# Altium PCB Peak_Track.PcbDoc (part 1 of 2)
Units mil, origin at the board's own origin, x right, y up, seen from the top; angles counter-clockwise.
Board outline 2126.29 x 2005.4 mil, 4 copper layers (Top1, GND2, signal3, Bottom4), stack 42.312 mil thick; 129 components, 89 nets, 459 pads, 390 vias.
Unrouted connection lines stored in the file: 6.
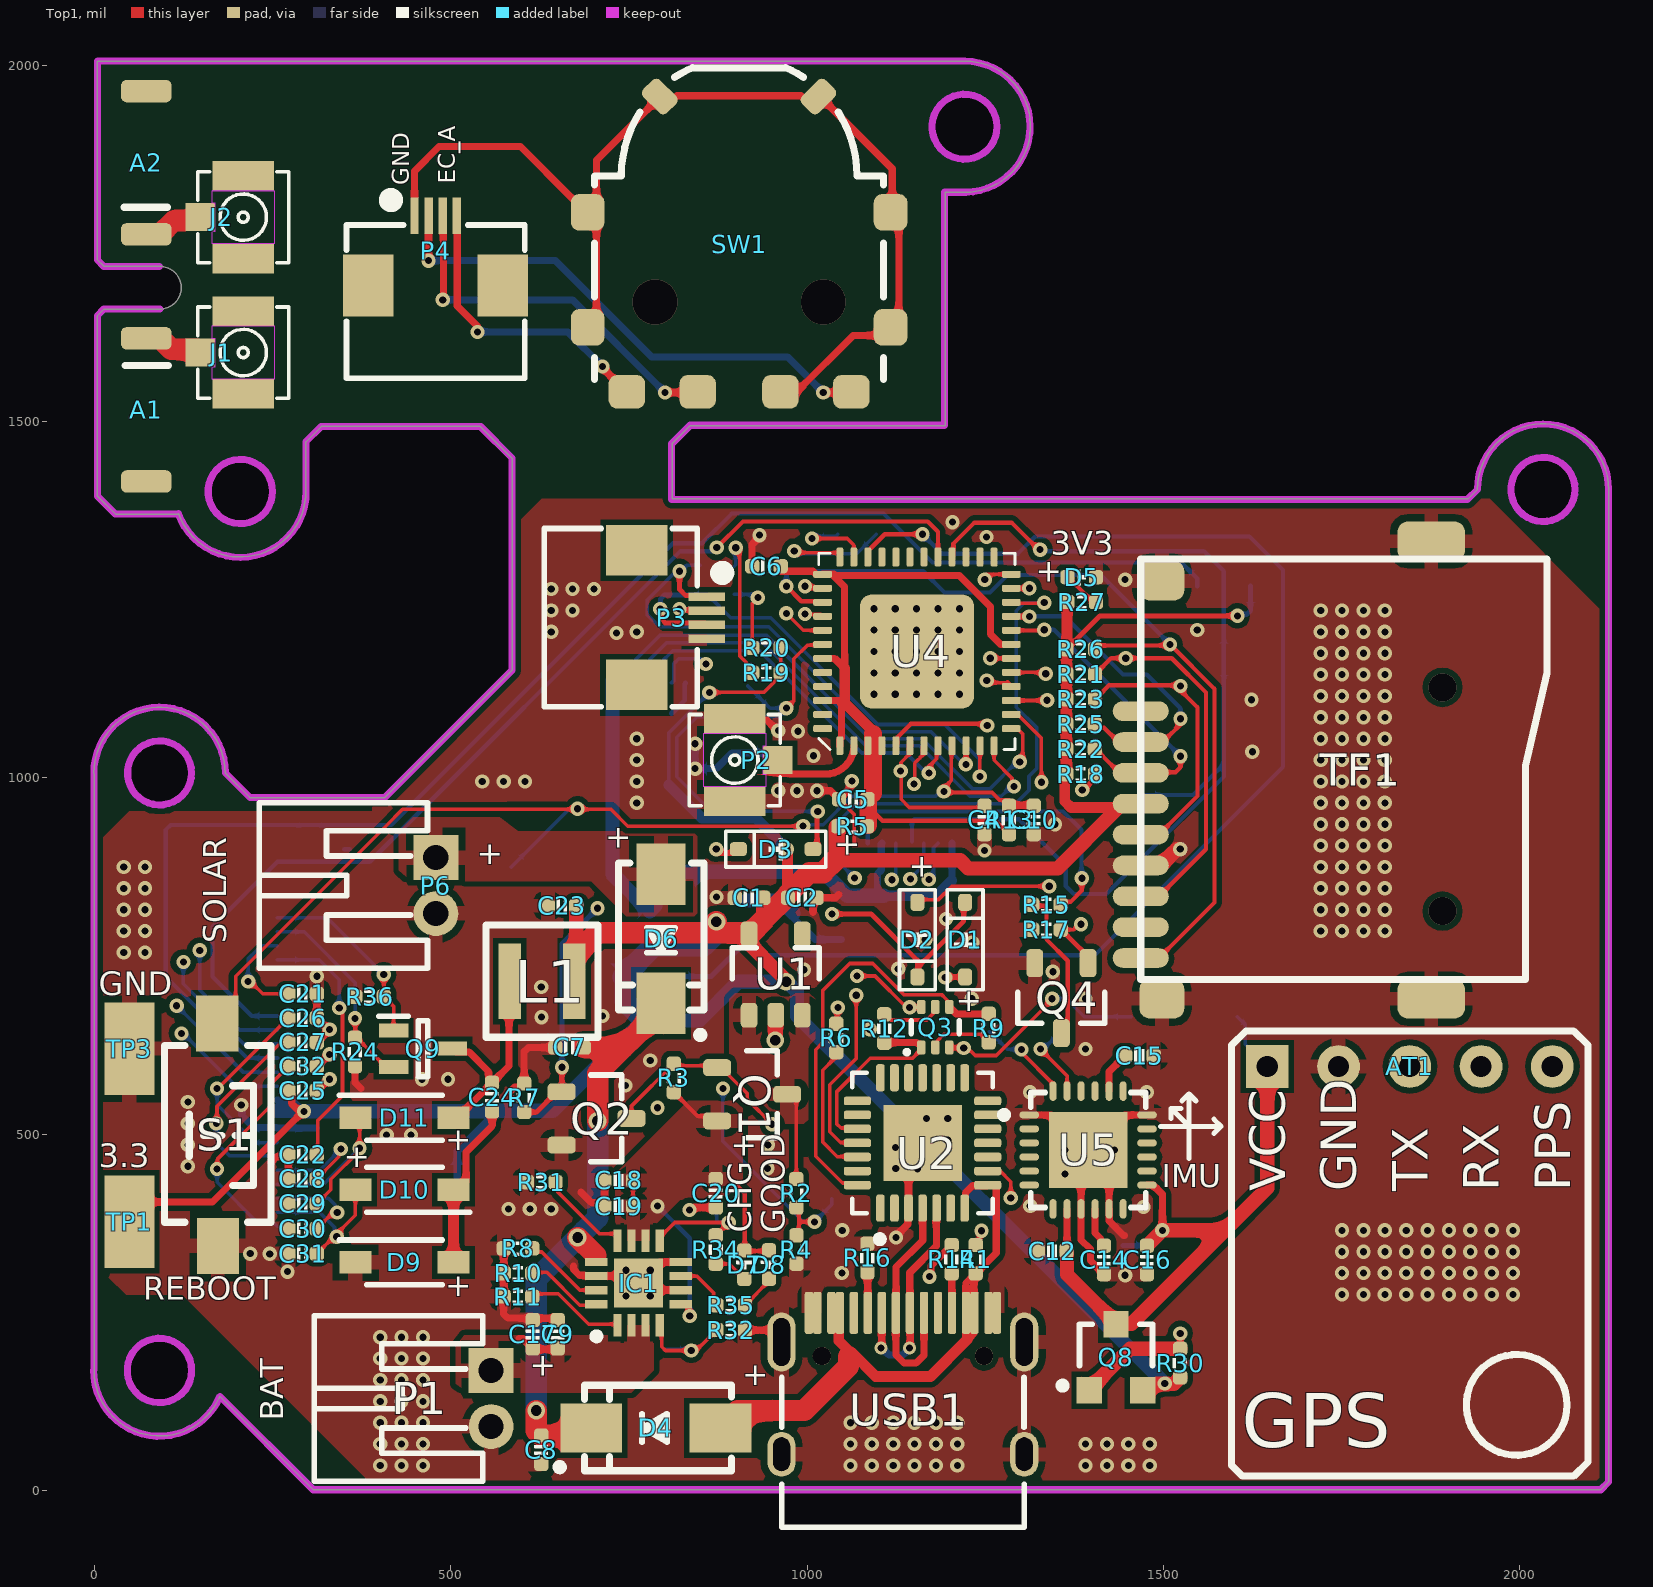
[diagram p0: Top1 view]
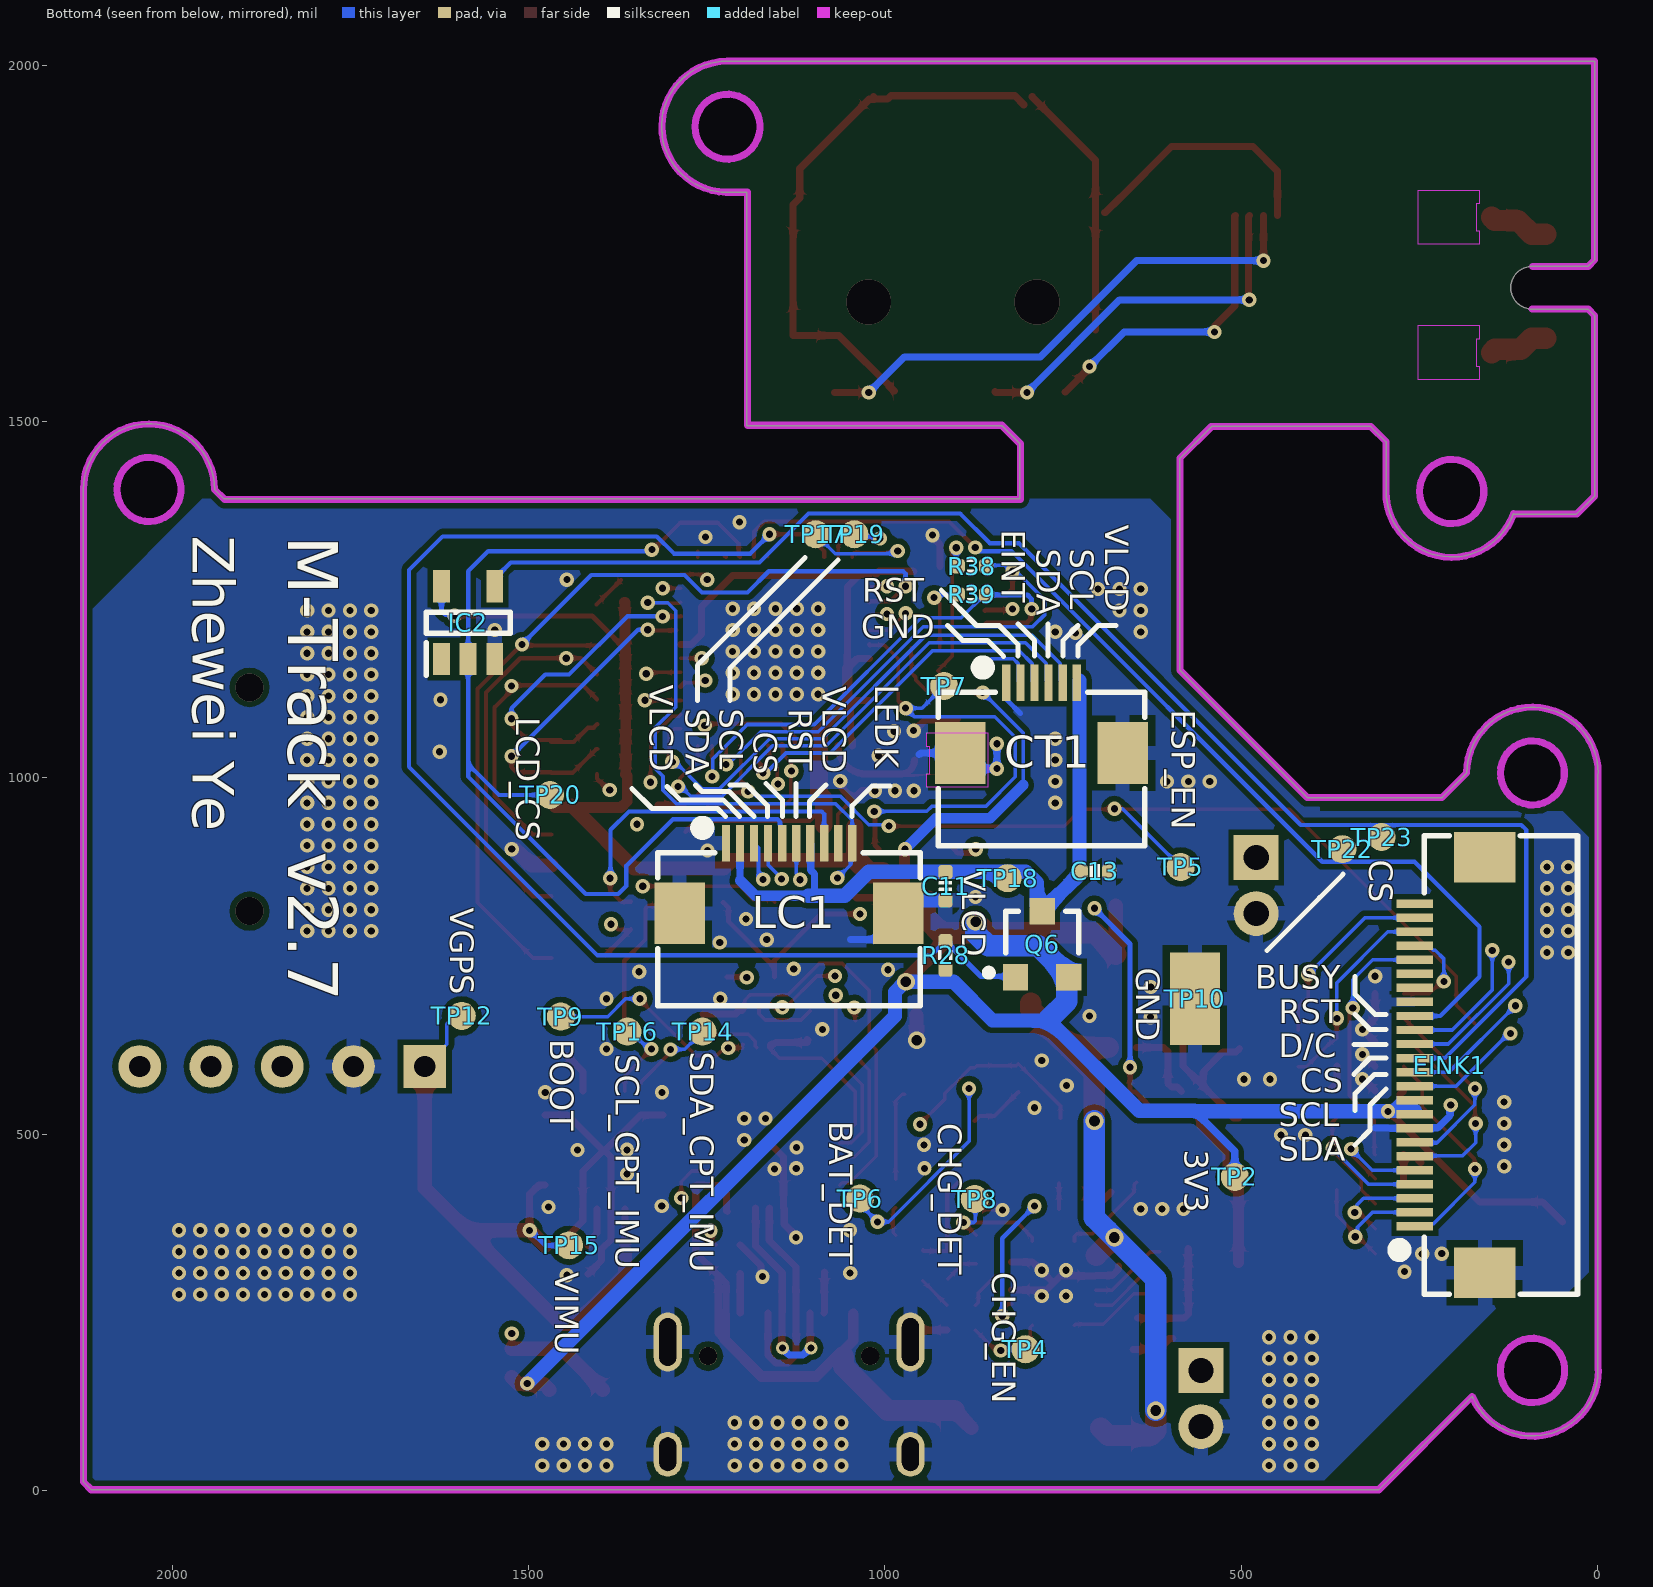
[diagram p1: Bottom4 view, seen from below]
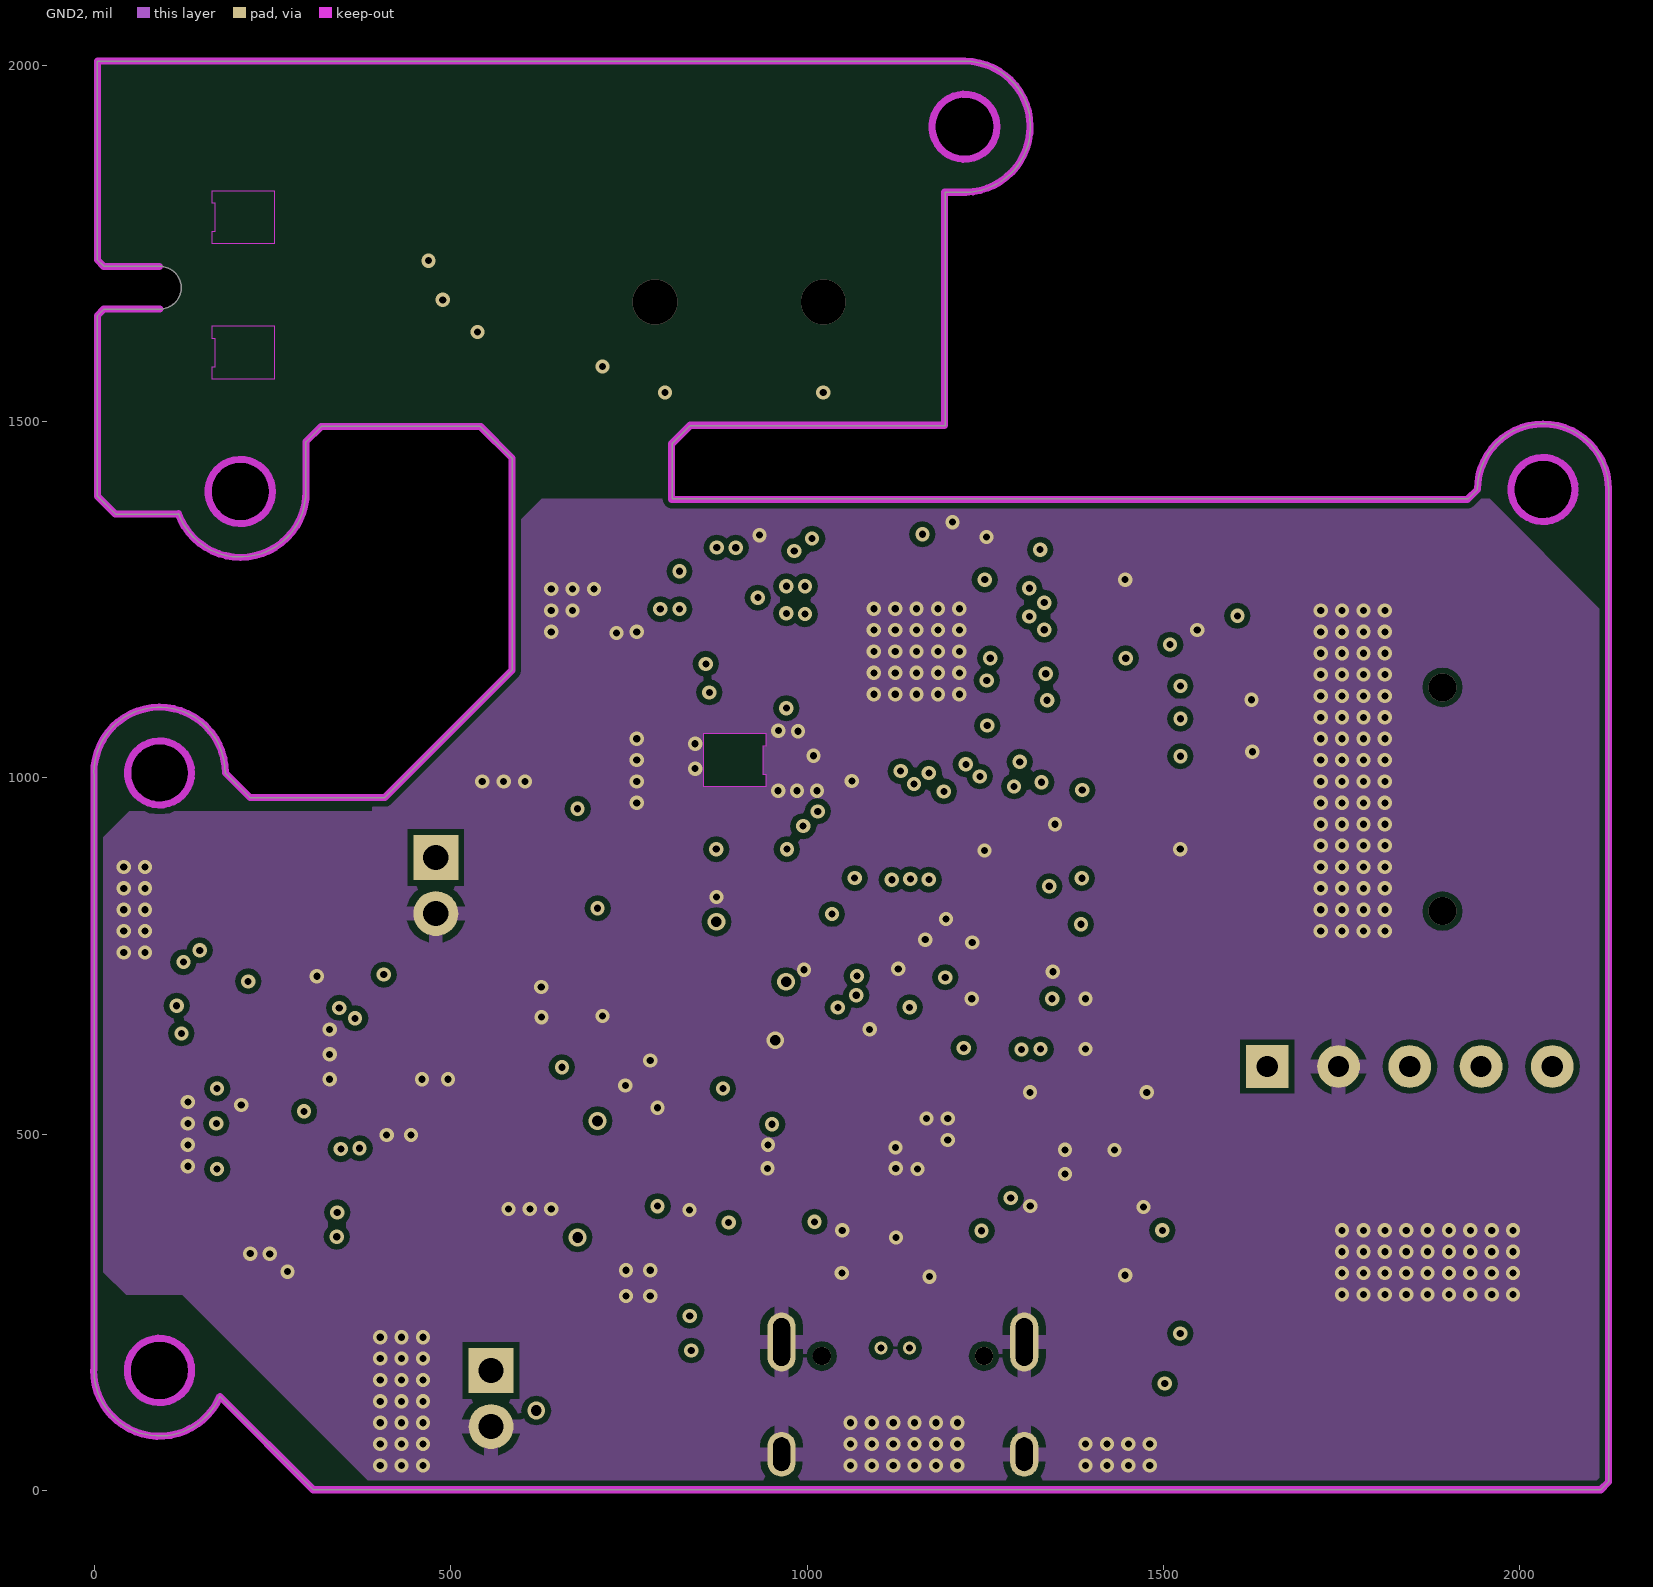
[diagram p2: GND2]
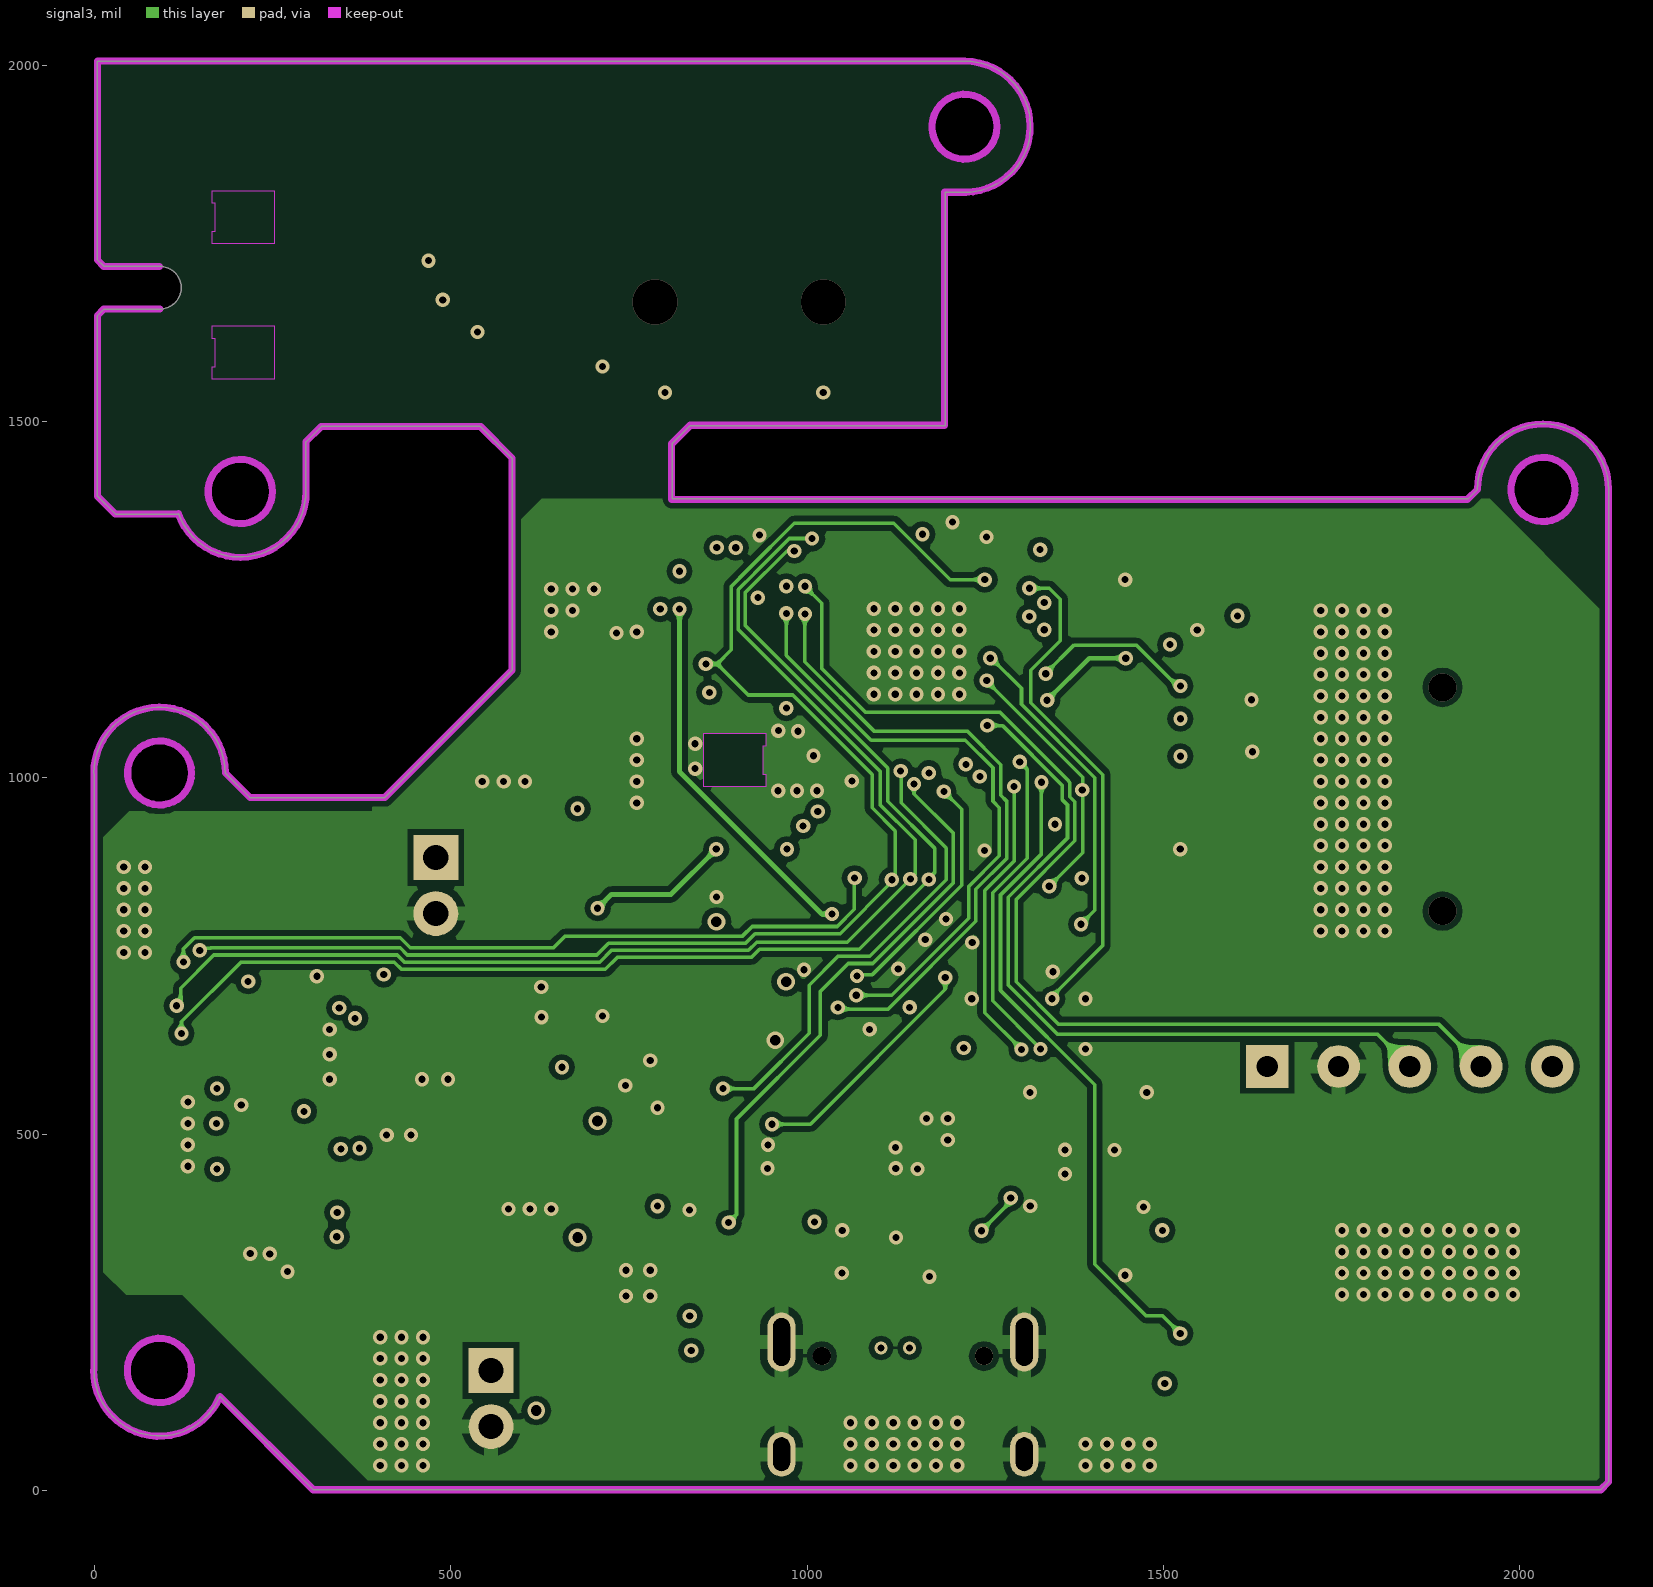
[diagram p3: signal3]
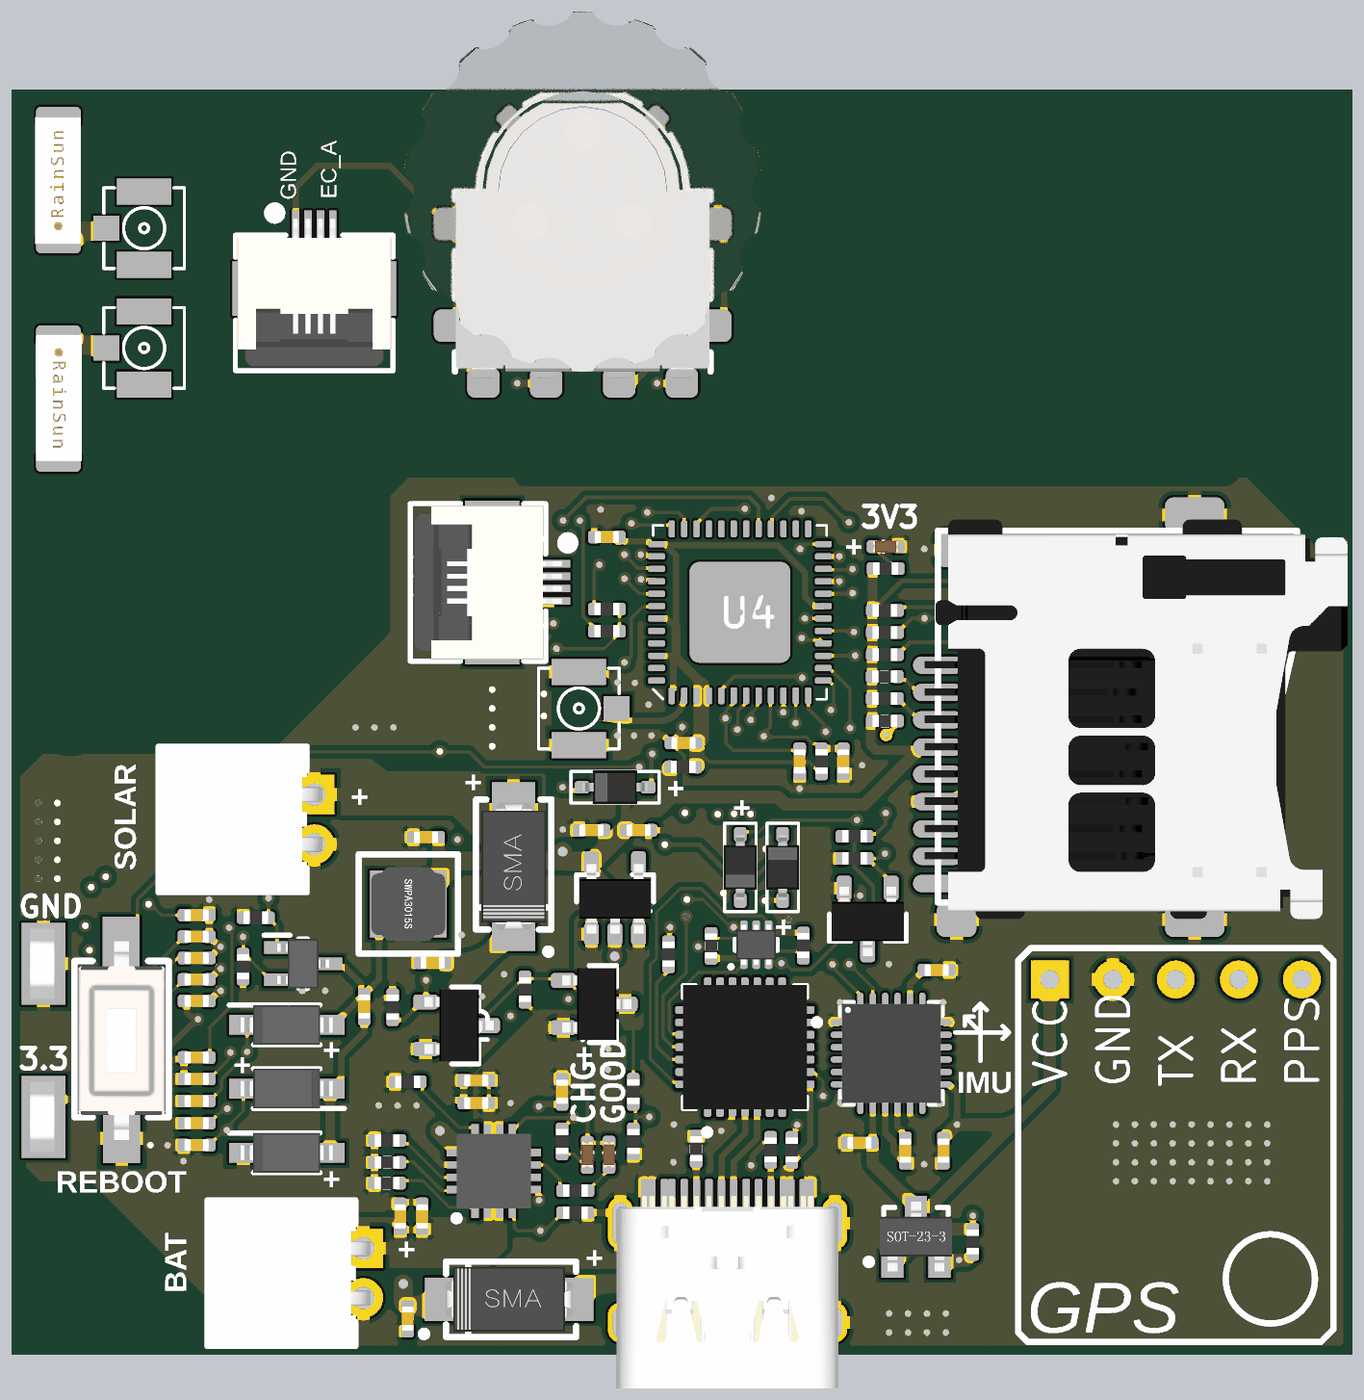
[diagram p5: 3D render of the assembled board from above, using the file's embedded part models]
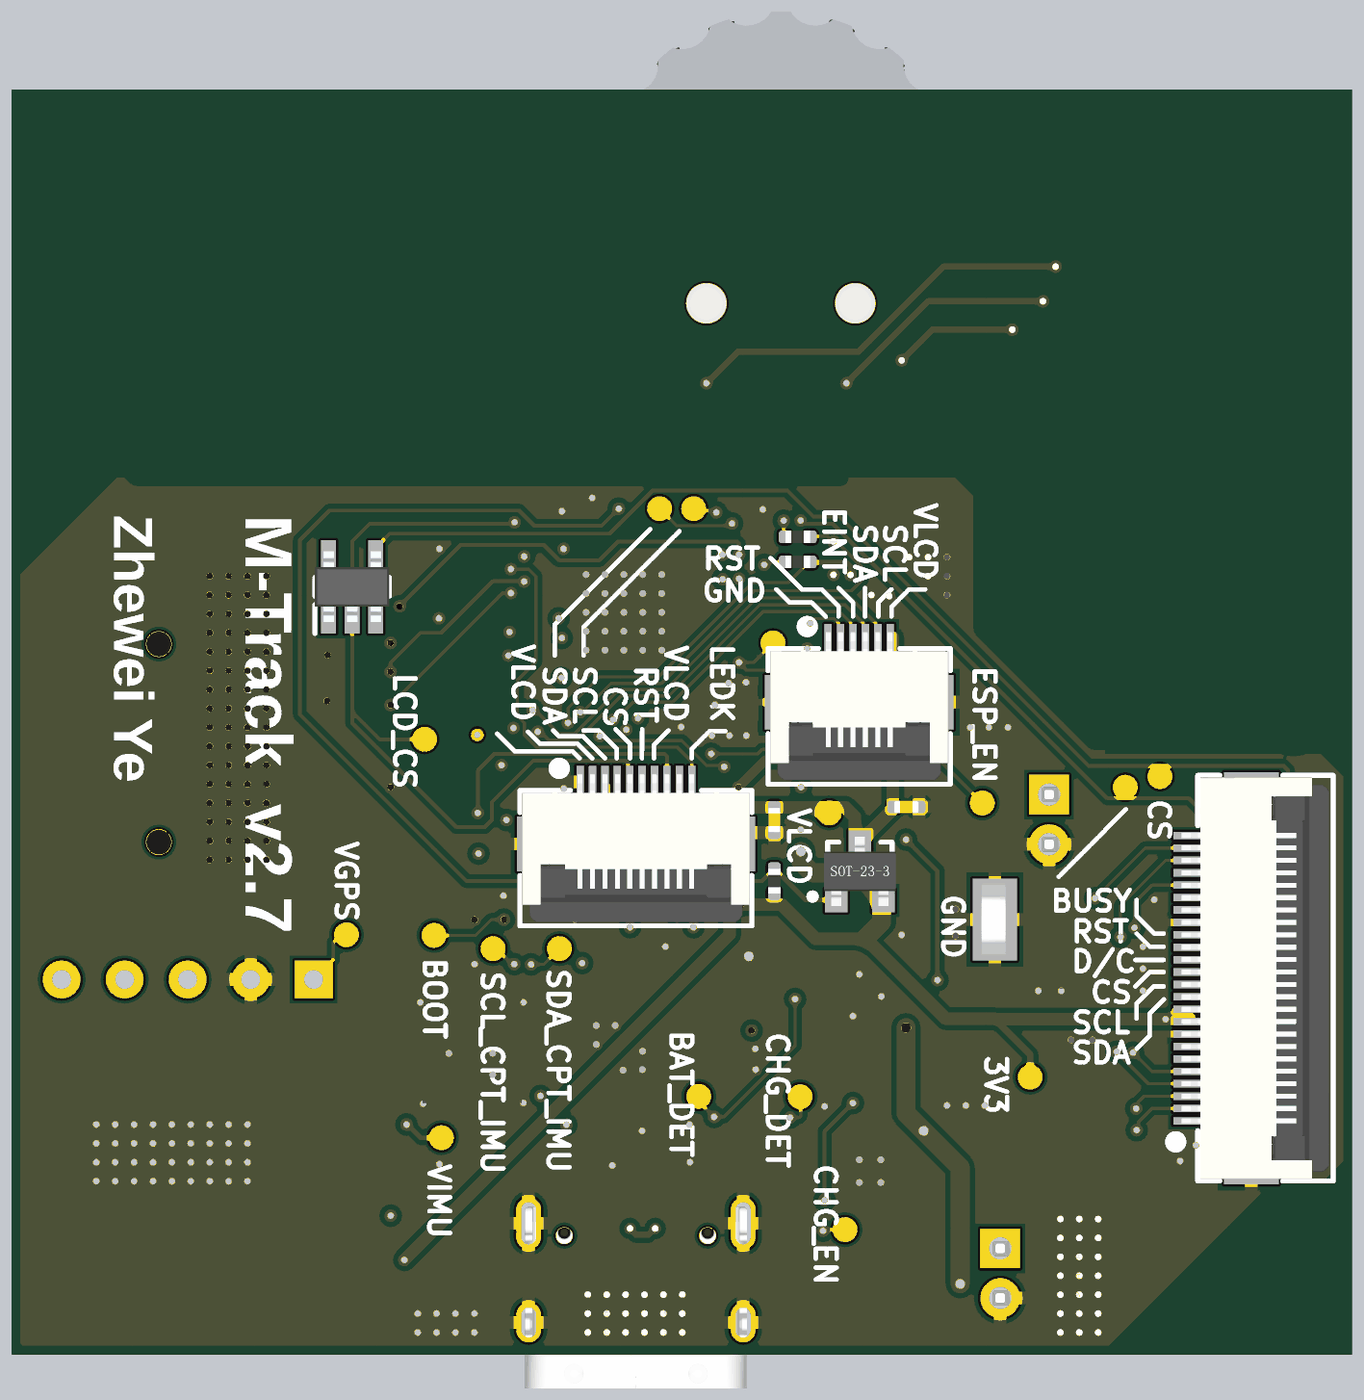
[diagram p6: 3D render of the assembled board from below, using the file's embedded part models]

## Layer stack, top to bottom
Top Solder: solder mask 0.4, Solder Resist, Dk 3.5
Top1: signal copper 1.4
Dielectric 2: prepreg 12.252, PP-006, Dk 4.1
GND2: signal copper 1.378
Dielectric 1: dielectric 12.252, FR-4, Dk 4.2
signal3: signal copper 1.378
Dielectric 3: prepreg 12.252, PP-006, Dk 4.1
Bottom4: signal copper 1.4
Bottom Solder: solder mask 0.4, Solder Resist, Dk 3.5
